# Altium PCB BMS Slave V0.1.PcbDoc (part 3 of 6) (continued)
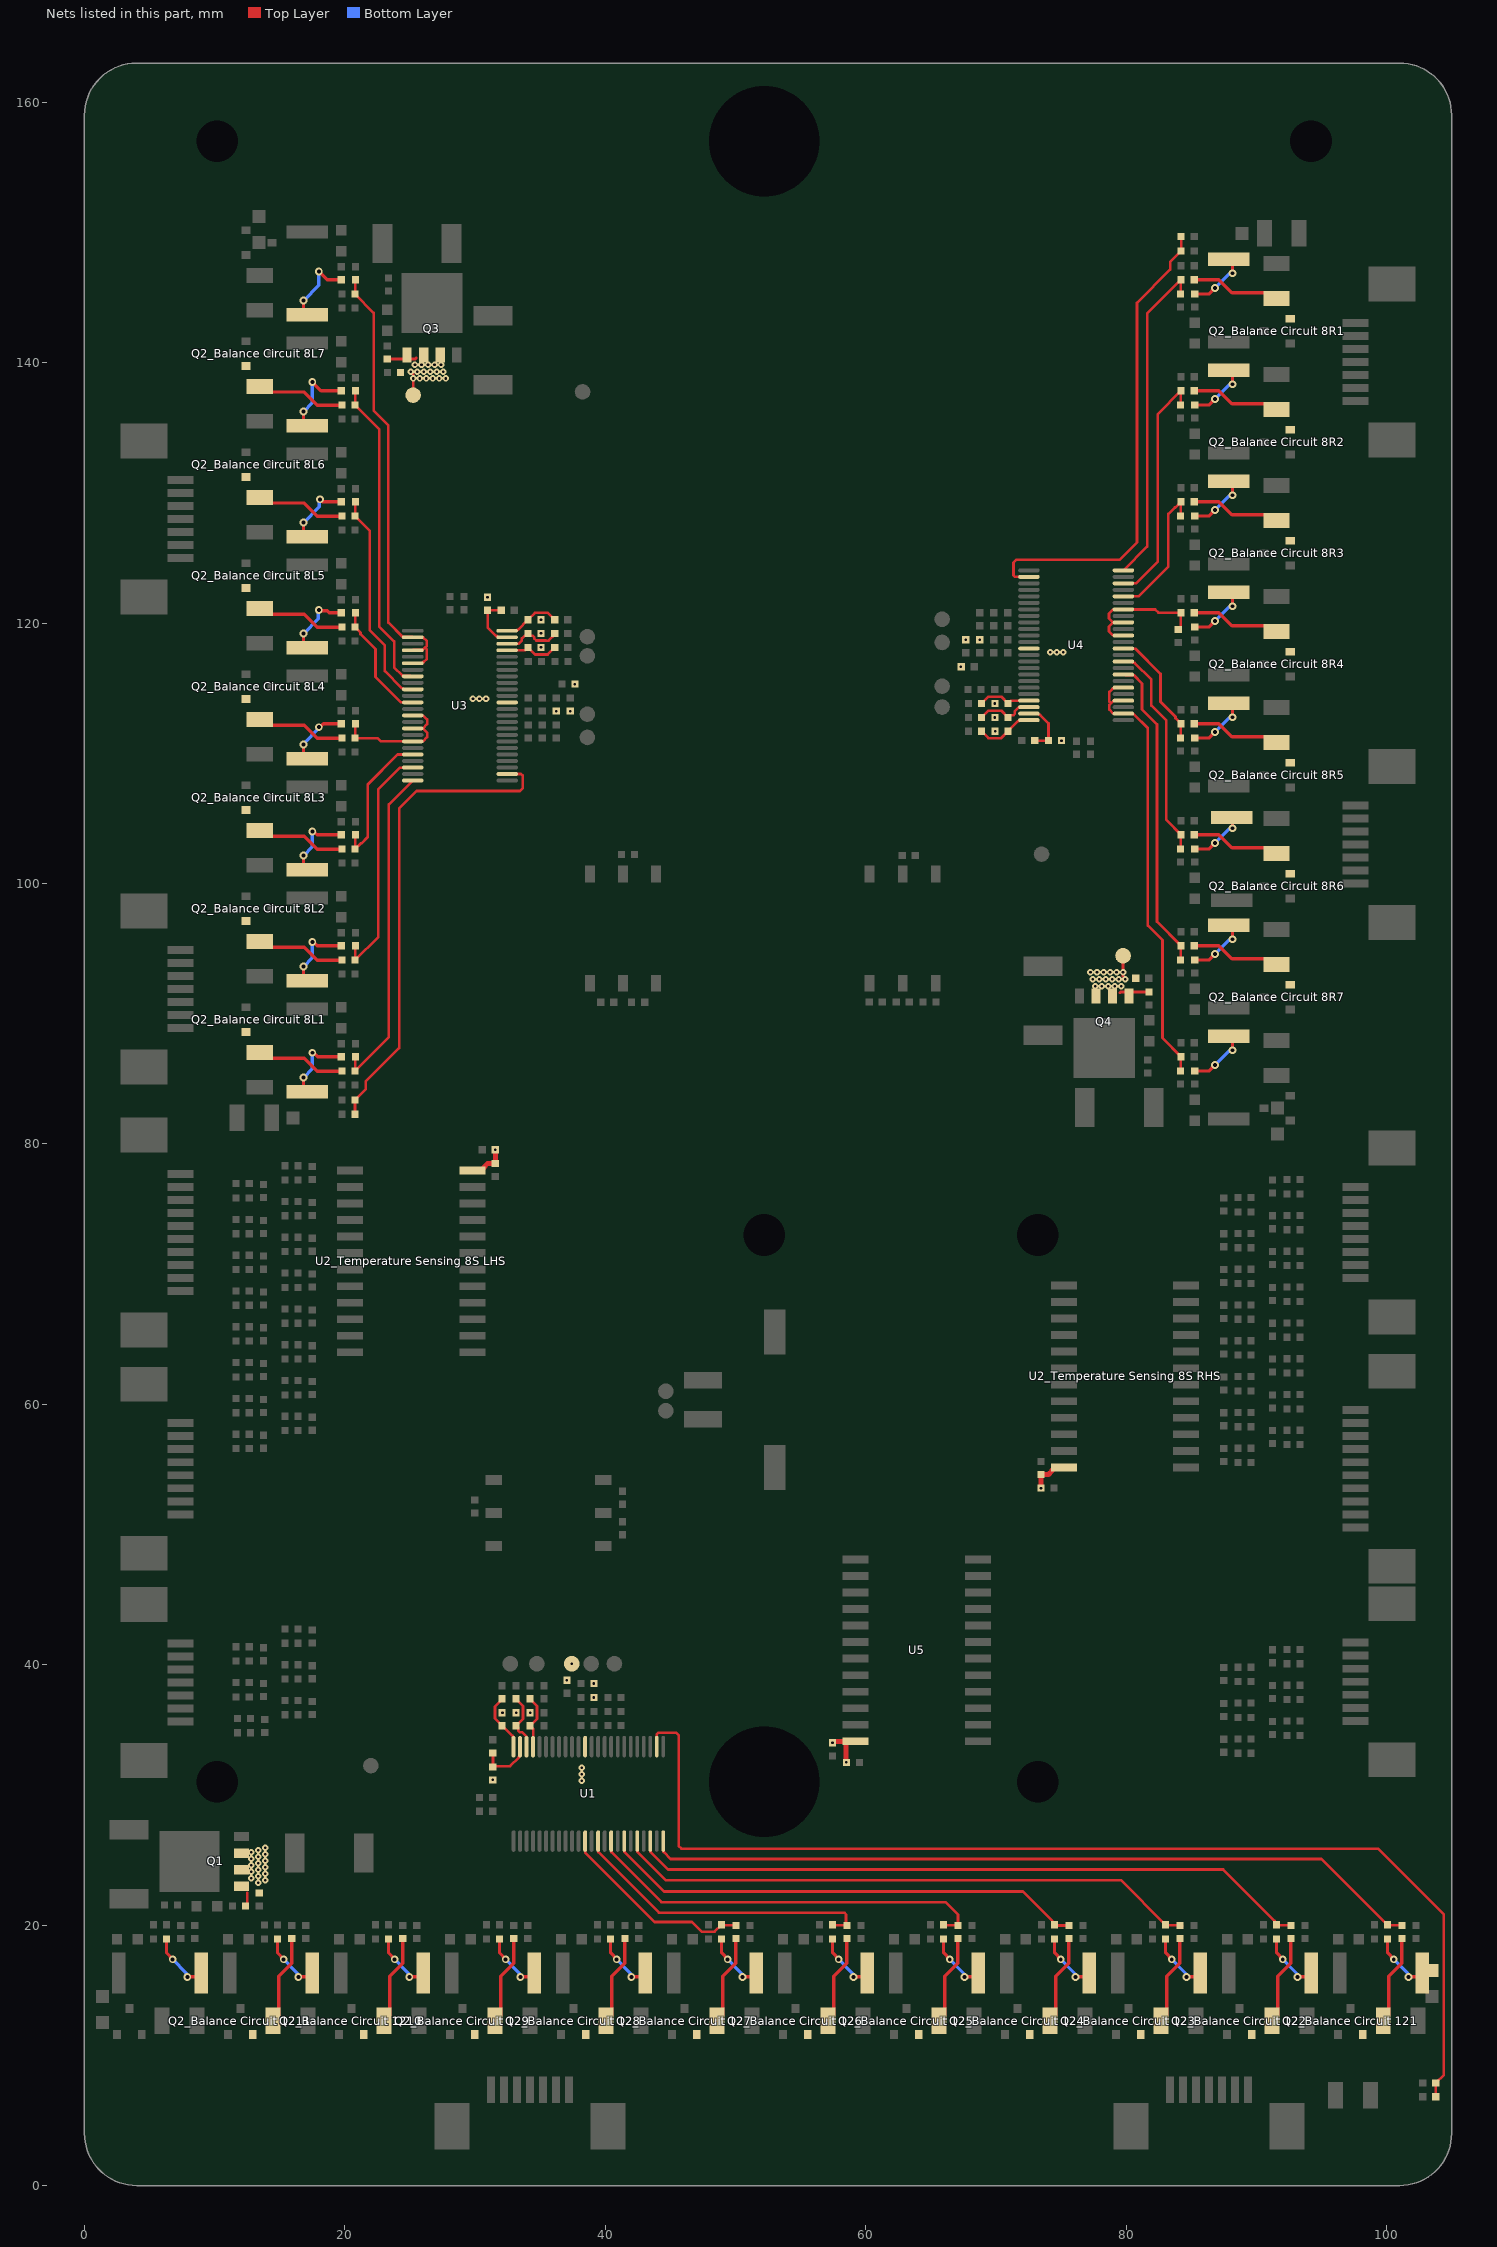
[diagram p5: the nets of this part, all layers, seen from the top]
## Part data (continued)
R7: library part Resistor, "Resistor", Supplier Part Number 1=652-CR0402FX-1211GLF, Supplier 1=Mouser
"R20_Balance Circuit 8L1" "R20_Balance Circuit 8L2" "R20_Balance Circuit 8L3" "R20_Balance Circuit 8L4" "R20_Balance Circuit 8L5" "R20_Balance Circuit 8L6" "R20_Balance Circuit 8L7" "R20_Balance Circuit 8L8" "R20_Balance Circuit 8R1" "R20_Balance Circuit 8R2" "R20_Balance Circuit 8R3" "R20_Balance Circuit 8R4" "R20_Balance Circuit 8R5" "R20_Balance Circuit 8R6" "R20_Balance Circuit 8R7" "R20_Balance Circuit 8R8" "R20_Balance Circuit 121" "R20_Balance Circuit 122" "R20_Balance Circuit 123" "R20_Balance Circuit 124" "R20_Balance Circuit 125" "R20_Balance Circuit 126" "R20_Balance Circuit 127" "R20_Balance Circuit 128" "R20_Balance Circuit 129" "R20_Balance Circuit 1210" "R20_Balance Circuit 1211" "R20_Balance Circuit 1212": library part Resistor, "Resistor", Supplier Part Number 1=603-AC0402FR-073K3L, Supplier 1=Mouser
"R24_IsoSPI 8S LHS" "R24_IsoSPI 8S RHS" "R24_IsoSPI 12S": library part Resistor, "Resistor", Supplier Part Number 1=71-CRCW0402-402-E3, Supplier 1=Mouser
"T1_IsoSPI 8S LHS" "T1_IsoSPI 8S RHS" "T1_IsoSPI 12S": "BMS XFORMER 1-CH 1000V AECQ +125", Inductance=150uH, Manufacturer=Bourns, Max Operating Temperature=125°C, Min Operating Temperature=-40°C, Supplier Part Number 1=1802382, Category=Transformers, ComponentLink1Description=https://www.bourns.com/docs/Product-Datasheets/SM91502AL.pdf?src-supplier=Digi-Key, ComponentLink1URL=https://www.bourns.com/docs/Product-Datasheets/SM91502AL.pdf?src-supplier=Digi-Key, Manufacturer Part Number=SM91502ALE, Mount="Surface Mount", Packaging="Cut Tape", Pricing 1="800=2.35100 (USD)", RoHS=Yes, Stock 1=1, Supplier 1=RSComponents, Turns Ratio=1:1
TP1 TP2 TP3 TP4 TP5 TP6 TP7 TP8 TP9 TP10 TP11 TP12 TP13 TP14 TP15 TP16 TP17 TP18 TP19 TP20: library part "Test Point", "1.2mm Test point"
U1 U3 U4: "12 Channel Multicell Battery Monitor with Addressable Interface"
"U2_Temperature Sensing 8S LHS" "U2_Temperature Sensing 8S RHS" U5: "High-Speed CMOS Logic / 16-Channel Analog Multiplexer/Demultiplexer"

## Free pads (board coordinates)
  round 7 hole 8.5 unplated: MH2(52.2,31) MH2(52.2,157)

## Via types
v1: diameter 0.5, hole 0.2, Top Layer to Bottom Layer, tented both sides, 1259 vias
v2: diameter 0.6, hole 0.3, Top Layer to Bottom Layer, tented both sides, 56 vias

## Nets (pads, with @x,y where several pads share a name; then routed paths per layer and width w, separated by ;. In a path a pad name is that pad's centre, name@x,y a point inside that pad or via, vN(x,y) a via of type N, cw(c..) or ccw(c..) an arc to the next point about the centre after c; other vN are vias at no path point)
5V0_8L_1: "C11_Temperature Sensing 8S LHS.1" "C12_Temperature Sensing 8S LHS.2" "U2_Temperature Sensing 8S LHS.24" C19.2 Q3.1 Q3.2 Q3.3 R28.2 R30.2 R31.2 R36.2 R37.2 R38.2 R39.2 R44.2 TP10.1 U3.37 | length 7.2
  Top Layer w0.203: R30.2@23.257,140.282 25.413,140.282 25.488,140.357 ; v1(25.061,139.312) 25.061,139.259 25.238,139.082 TP10.1@25.238,137.507 ; 29.8,77.96 30.5,77.96
  Top Layer w0.381: 30.5,77.96 30.698,78.158 30.698,78.228 30.97,78.5 31.55,78.5 v1(31.55,79.55)
  other v1: 36.238,113.232 37.313,113.232 29.838,114.182 30.338,114.182 30.838,114.182 37.663,115.307 35.063,118.132 35.063,119.207 35.063,120.257 30.95,121.975 25.238,138.782 25.738,138.782 26.238,138.782 26.738,138.782 27.238,138.782 27.738,138.782 25.561,139.312 26.061,139.312 26.561,139.312 27.061,139.312 27.561,139.312 25.384,139.843 25.884,139.843 26.384,139.843 26.884,139.843 27.384,139.843
5V0_8R_1: "C11_Temperature Sensing 8S RHS.1" "C12_Temperature Sensing 8S RHS.2" "U2_Temperature Sensing 8S RHS.24" C26.2 Q4.1 Q4.2 Q4.3 R46.2 R48.2 R49.2 R54.2 R55.2 R56.2 R57.2 R62.2 TP17.1 U4.37 | length 7.2
  Top Layer w0.203: 79.512,91.593 79.587,91.668 R48.2@81.743,91.668 ; TP17.1@79.762,94.443 79.762,92.868 79.939,92.691 v1(79.939,92.638)
  Top Layer w0.381: v1(73.462,53.563) 73.462,54.613 74.042,54.613 74.314,54.884 74.314,54.954 74.513,55.153 75.213,55.153
  Bottom Layer w0.203: v1@69.912,111.693 v1@69.925,111.705 ; v1@69.925,112.73 v1@69.937,112.743
  other v1: 77.616,92.107 78.116,92.107 78.616,92.107 79.116,92.107 79.616,92.107 77.439,92.638 77.939,92.638 78.439,92.638 78.939,92.638 79.439,92.638 77.262,93.168 77.762,93.168 78.262,93.168 78.762,93.168 79.262,93.168 79.762,93.168 75.037,110.968 69.937,111.693 69.912,112.743 69.912,113.818 67.312,116.643 74.162,117.768 74.662,117.768 75.162,117.768 67.687,118.718 68.762,118.718
5V0_12_1: C6.2 C28.1 C29.2 Q1.1 Q1.2 Q1.3 R2.2 R4.2 R5.2 R10.2 R11.2 R12.2 R13.2 R18.2 TP3.1 U1.37 U5.24 | length 3.7
  Top Layer w0.203: R4.2@12.378,21.457 12.5,21.579 12.5,22.475
  Top Layer w0.381: C29.2@57.435,34.1 58.485,34.1 58.485,32.54 C28.1@58.525,32.5
  other v1: 13.348,23.261 13.878,23.438 12.817,23.584 13.348,23.761 13.878,23.938 12.817,24.084 13.348,24.261 13.878,24.438 12.817,24.584 13.348,24.761 13.878,24.938 12.817,25.084 13.348,25.261 13.878,25.438 12.817,25.584 13.348,25.761 13.878,25.938 38.178,31.081 31.353,31.156 38.178,31.581 38.178,32.081 58.505,32.52 57.45,34 32.103,36.306 33.153,36.306 34.228,36.306 39.128,37.481 39.128,38.556 37.053,38.806 37.425,40.075
A0_2: R10.1 R14.2 U1.45 | length 4.2
  Top Layer w0.203: R14.2@34.228,37.356 34.757,36.827 34.757,35.835 R10.1@34.228,35.306 34.453,35.081 U1.45@34.453,33.706 U1.45@34.472,33.725
A0_4: R36.1 R40.2 U3.45 | length 4.2
  Top Layer w0.203: U3.45@32.482,117.889 U3.45@32.463,117.907 33.838,117.907 R36.1@34.063,118.132 34.609,117.586 35.567,117.586 R40.2@36.113,118.132
A0_5: R54.1 R58.2 U4.45 | length 4.2
  Top Layer w0.203: R58.2@68.887,113.818 69.416,114.347 70.408,114.347 R54.1@70.937,113.818 71.162,114.043 U4.45@72.537,114.043 U4.45@72.518,114.061
A1_2: R11.1 R15.2 U1.46 | length 4.5
  Top Layer w0.203: R15.2@33.153,37.356 33.682,36.827 33.682,35.835 R11.1@33.153,35.306 33.326,35.133 33.326,34.919 33.445,34.8 33.625,34.8 33.934,34.491 33.934,33.725 U1.46@33.953,33.706
A1_4: R37.1 R41.2 U3.46 | length 4.6
  Top Layer w0.203: U3.46@32.463,118.407 32.472,118.416 33.366,118.416 33.593,118.643 33.593,118.807 33.819,119.034 33.89,119.034 R37.1@34.063,119.207 34.236,119.034 34.415,119.034 34.534,118.915 34.534,118.827 34.7,118.661 35.443,118.661 35.464,118.64 35.633,118.64 35.94,118.947 35.94,119.034 R41.2@36.113,119.207
A1_5: R55.1 R59.2 U4.46 | length 4.5
  Top Layer w0.203: R59.2@68.887,112.743 69.416,113.272 70.408,113.272 R55.1@70.937,112.743 71.11,112.916 71.339,112.916 71.458,113.035 71.458,113.231 71.751,113.524 72.519,113.524 U4.46@72.537,113.543
A2_2: R12.1 R16.2 U1.47 | length 4.2
  Top Layer w0.203: R16.2@31.378,33.256 31.378,32.206 32.699,32.206 33.357,32.864 33.357,32.909 33.453,33.005 U1.47@33.453,33.706
A2_4: R38.1 R42.2 U3.47 | length 4.2
  Top Layer w0.203: R42.2@32.013,120.982 30.963,120.982 30.963,119.661 31.621,119.003 31.666,119.003 31.762,118.907 U3.47@32.463,118.907
A2_5: R56.1 R60.2 U4.47 | length 4.2
  Top Layer w0.203: U4.47@72.537,113.043 73.238,113.043 73.334,112.947 73.379,112.947 74.037,112.289 R56.1@74.037,110.968 R60.2@72.987,110.968
A3_2: R13.1 R17.2 U1.48 | length 4.5
  Top Layer w0.203: R17.2@32.103,37.356 31.525,36.778 31.525,35.884 32.103,35.306 32.879,34.53 32.879,34.495 32.953,34.421 U1.48@32.953,33.706
A3_4: R39.1 R43.2 U3.48 | length 4.4
  Top Layer w0.203: U3.48@32.463,119.407 33.178,119.407 33.252,119.481 33.287,119.481 R39.1@34.063,120.257 34.592,120.786 35.584,120.786 R43.2@36.113,120.257
A3_5: R57.1 R61.2 U4.48 | length 4.4
  Top Layer w0.203: R61.2@68.887,111.693 69.416,111.164 70.408,111.164 70.937,111.693 71.713,112.469 71.748,112.469 71.822,112.543 U4.48@72.537,112.543
B8L_1: "R21_Balance Circuit 8L1.1" "R22_Balance Circuit 8L1.1" NT3.2 | length 5.7
  Top Layer w0.254: v2(16.825,85.085) 16.825,84.31 17.125,84.01 ; v2(17.5,87) 17.594,87 17.909,86.685 19.725,86.685
  Bottom Layer w0.254: v2(16.825,85.085) 17.5,85.76 v2(17.5,87)
B8L_2: "F2_Balance Circuit 8L1.2" "Q2_Balance Circuit 8L1.2" "R19_Balance Circuit 8L1.1" "R21_Balance Circuit 8L2.1" "R22_Balance Circuit 8L2.1" | length 12.6
  Top Layer w0.254: 13.45,87.02 13.885,86.585 16.875,86.585 17.875,85.585 19.725,85.585 ; v2(16.825,93.61) 16.825,92.835 17.125,92.535 ; v2(17.5,95.5) 17.594,95.5 17.884,95.21 19.725,95.21
  Bottom Layer w0.254: v2(16.825,93.61) 17.5,94.285 v2(17.5,95.5)
B8L_3: "F2_Balance Circuit 8L2.2" "Q2_Balance Circuit 8L2.2" "R19_Balance Circuit 8L2.1" "R21_Balance Circuit 8L3.1" "R22_Balance Circuit 8L3.1" | length 12.5
  Top Layer w0.254: 13.45,95.545 13.885,95.11 16.875,95.11 17.875,94.11 19.725,94.11 ; v2(16.825,102.135) 16.825,101.36 17.125,101.06 ; v2(17.5,104) 17.594,104 17.859,103.735 19.725,103.735
  Bottom Layer w0.254: v2(16.825,102.135) 17.5,102.81 v2(17.5,104)
B8L_4: "F2_Balance Circuit 8L3.2" "Q2_Balance Circuit 8L3.2" "R19_Balance Circuit 8L3.1" "R21_Balance Circuit 8L4.1" "R22_Balance Circuit 8L4.1" | length 11.7
  Top Layer w0.254: 13.45,104.07 13.885,103.635 16.875,103.635 17.875,102.635 19.725,102.635 ; v2(16.825,110.66) 16.825,109.885 17.125,109.585 ; v2(18,112) 18.094,112 18.354,112.26 19.725,112.26
  Bottom Layer w0.254: v2(16.825,110.66) 16.825,110.743 18,111.918 v2(18,112)
B8L_5: "F2_Balance Circuit 8L4.2" "Q2_Balance Circuit 8L4.2" "R19_Balance Circuit 8L4.1" "R21_Balance Circuit 8L5.1" "R22_Balance Circuit 8L5.1" | length 12.2
  Top Layer w0.254: 13.45,112.595 13.885,112.16 16.875,112.16 17.875,111.16 19.725,111.16 ; v2(16.825,119.185) 16.825,118.41 17.125,118.11 ; v2(18,121) 18.066,120.934 18.66,120.934 18.809,120.785 19.725,120.785
  Bottom Layer w0.254: v2(16.825,119.185) 17.959,120.319 17.959,120.959 v2(18,121)
B8L_6: "F2_Balance Circuit 8L5.2" "Q2_Balance Circuit 8L5.2" "R19_Balance Circuit 8L5.1" "R21_Balance Circuit 8L6.1" "R22_Balance Circuit 8L6.1" | length 12.1
  Top Layer w0.254: 13.45,121.12 13.885,120.685 16.875,120.685 17.875,119.685 19.725,119.685 ; v2(16.825,127.71) 16.825,126.935 17.125,126.635 ; v2(18.094,129.5) 18.284,129.31 19.725,129.31
  Bottom Layer w0.254: v2(16.825,127.71) 18.027,128.912 18.027,129.434 v2(18.094,129.5)
B8L_7: "F2_Balance Circuit 8L6.2" "Q2_Balance Circuit 8L6.2" "R19_Balance Circuit 8L6.1" "R21_Balance Circuit 8L7.1" "R22_Balance Circuit 8L7.1" | length 13.1
  Top Layer w0.254: 13.45,129.645 13.885,129.21 16.875,129.21 17.875,128.21 19.725,128.21 ; v2(16.825,136.235) 16.825,135.46 17.125,135.16 ; v2(17.5,138.5) 18.165,137.835 19.725,137.835
  Bottom Layer w0.254: v2(16.825,136.235) 17.5,136.91 v2(17.5,138.5)
B8L_8: "F2_Balance Circuit 8L7.2" "Q2_Balance Circuit 8L7.2" "R19_Balance Circuit 8L7.1" "R21_Balance Circuit 8L8.1" "R22_Balance Circuit 8L8.1" | length 12.8
  Top Layer w0.254: 13.45,138.17 13.885,137.735 16.875,137.735 17.875,136.735 19.725,136.735 ; v2(16.825,144.76) 16.825,143.985 17.125,143.685 ; v2(18,147) 18.64,146.36 19.725,146.36
  Bottom Layer w0.254: v2(16.825,144.76) 18,145.935 v2(18,147)
B8R_1: "R21_Balance Circuit 8R1.1" "R22_Balance Circuit 8R1.1" NT5.2 | length 4.3
  Top Layer w0.254: 85.275,145.265 86.337,145.265 86.812,145.74 v2(86.825,145.74) ; v2(88.175,146.865) 88.175,147.64
  Bottom Layer w0.254: v2(86.825,145.74) 87.884,146.799 88.109,146.799 v2(88.175,146.865)
B8R_2: "F2_Balance Circuit 8R1.2" "Q2_Balance Circuit 8R1.2" "R19_Balance Circuit 8R1.1" "R21_Balance Circuit 8R2.1" "R22_Balance Circuit 8R2.1" | length 11.6
  Top Layer w0.254: 85.275,136.74 86.337,136.74 86.812,137.215 v2(86.825,137.215) ; 85.275,146.365 87.125,146.365 88.125,145.365 91.115,145.365 91.55,144.93 ; 87.875,139.415 88.175,139.115 v2(88.175,138.34)
  Bottom Layer w0.254: v2(86.825,137.215) 87.884,138.274 88.109,138.274 v2(88.175,138.34)
B8R_3: "F2_Balance Circuit 8R2.2" "Q2_Balance Circuit 8R2.2" "R19_Balance Circuit 8R2.1" "R21_Balance Circuit 8R3.1" "R22_Balance Circuit 8R3.1" | length 11.6
  Top Layer w0.254: 85.275,128.215 86.337,128.215 86.812,128.69 v2(86.825,128.69) ; 85.275,137.84 87.125,137.84 88.125,136.84 91.115,136.84 91.55,136.405 ; 87.875,130.89 88.175,130.59 v2(88.175,129.815)
  Bottom Layer w0.254: v2(86.825,128.69) 87.884,129.749 88.109,129.749 v2(88.175,129.815)
B8R_4: "F2_Balance Circuit 8R3.2" "Q2_Balance Circuit 8R3.2" "R19_Balance Circuit 8R3.1" "R21_Balance Circuit 8R4.1" "R22_Balance Circuit 8R4.1" | length 11.6
  Top Layer w0.254: 85.275,119.69 86.337,119.69 86.812,120.165 v2(86.825,120.165) ; 85.275,129.315 87.125,129.315 88.125,128.315 91.115,128.315 91.55,127.88 ; 87.875,122.365 88.175,122.065 v2(88.175,121.29)
  Bottom Layer w0.254: v2(86.825,120.165) 87.884,121.224 88.109,121.224 v2(88.175,121.29)
B8R_5: "F2_Balance Circuit 8R4.2" "Q2_Balance Circuit 8R4.2" "R19_Balance Circuit 8R4.1" "R21_Balance Circuit 8R5.1" "R22_Balance Circuit 8R5.1" | length 11.6
  Top Layer w0.254: 85.275,111.165 86.337,111.165 86.812,111.64 v2(86.825,111.64) ; 85.275,120.79 87.125,120.79 88.125,119.79 91.115,119.79 91.55,119.355 ; 87.875,113.84 88.175,113.54 v2(88.175,112.765)
  Bottom Layer w0.254: v2(86.825,111.64) 87.884,112.699 88.109,112.699 v2(88.175,112.765)
B8R_6: "F2_Balance Circuit 8R5.2" "Q2_Balance Circuit 8R5.2" "R19_Balance Circuit 8R5.1" "R21_Balance Circuit 8R6.1" "R22_Balance Circuit 8R6.1" | length 11.6
  Top Layer w0.254: 85.275,102.64 86.337,102.64 86.812,103.115 v2(86.825,103.115) ; 85.275,112.265 87.125,112.265 88.125,111.265 91.115,111.265 91.55,110.83 ; 87.875,105.315 88.175,105.015 v2(88.175,104.24)
  Bottom Layer w0.254: v2(86.825,103.115) 87.884,104.174 88.109,104.174 v2(88.175,104.24)
B8R_7: "F2_Balance Circuit 8R6.2" "Q2_Balance Circuit 8R6.2" "R19_Balance Circuit 8R6.1" "R21_Balance Circuit 8R7.1" "R22_Balance Circuit 8R7.1" | length 11.6
  Top Layer w0.254: 85.275,94.115 86.337,94.115 86.812,94.59 v2(86.825,94.59) ; 85.275,103.74 87.125,103.74 88.125,102.74 91.115,102.74 91.55,102.305 ; 87.875,96.79 88.175,96.49 v2(88.175,95.715)
  Bottom Layer w0.254: v2(86.825,94.59) 87.884,95.649 88.109,95.649 v2(88.175,95.715)
B8R_8: "F2_Balance Circuit 8R7.2" "Q2_Balance Circuit 8R7.2" "R19_Balance Circuit 8R7.1" "R21_Balance Circuit 8R8.1" "R22_Balance Circuit 8R8.1" | length 11.6
  Top Layer w0.254: 85.275,85.59 86.337,85.59 86.812,86.065 v2(86.825,86.065) ; 85.275,95.215 87.125,95.215 88.125,94.215 91.115,94.215 91.55,93.78 ; 87.875,88.265 88.175,87.965 v2(88.175,87.19)
  Bottom Layer w0.254: v2(86.825,86.065) 87.884,87.124 88.109,87.124 v2(88.175,87.19)
B12_1: "R21_Balance Circuit 121.1" "R22_Balance Circuit 121.1" NT1.2 | length 4.8
  Top Layer w0.254: 100.075,18.925 100.075,17.863 100.55,17.388 v2(100.55,17.375) ; v2(101.675,16.025) 102.45,16.025 102.75,16.325
  Bottom Layer w0.254: v2(100.55,17.375) 101.609,16.316 101.609,16.091 v2(101.675,16.025)
B12_2: "F2_Balance Circuit 121.2" "Q2_Balance Circuit 121.2" "R19_Balance Circuit 121.1" "R21_Balance Circuit 122.1" "R22_Balance Circuit 122.1" | length 11.6
  Top Layer w0.254: 91.55,18.925 91.55,17.863 92.025,17.388 v2(92.025,17.375) ; v2(93.15,16.025) 93.925,16.025 94.225,16.325 ; 99.74,12.65 100.175,13.085 100.175,16.075 101.175,17.075 101.175,18.925
  Bottom Layer w0.254: v2(92.025,17.375) 93.084,16.316 93.084,16.091 v2(93.15,16.025)
B12_3: "F2_Balance Circuit 122.2" "Q2_Balance Circuit 122.2" "R19_Balance Circuit 122.1" "R21_Balance Circuit 123.1" "R22_Balance Circuit 123.1" | length 11.6
  Top Layer w0.254: 83.025,18.925 83.025,17.863 83.5,17.388 v2(83.5,17.375) ; v2(84.625,16.025) 85.4,16.025 85.7,16.325 ; 91.215,12.65 91.65,13.085 91.65,16.075 92.65,17.075 92.65,18.925
  Bottom Layer w0.254: v2(83.5,17.375) 84.559,16.316 84.559,16.091 v2(84.625,16.025)
B12_4: "F2_Balance Circuit 123.2" "Q2_Balance Circuit 123.2" "R19_Balance Circuit 123.1" "R21_Balance Circuit 124.1" "R22_Balance Circuit 124.1" | length 11.6
  Top Layer w0.254: 74.5,18.925 74.5,17.863 74.975,17.388 v2(74.975,17.375) ; v2(76.1,16.025) 76.875,16.025 77.175,16.325 ; 82.69,12.65 83.125,13.085 83.125,16.075 84.125,17.075 84.125,18.925
  Bottom Layer w0.254: v2(74.975,17.375) 76.034,16.316 76.034,16.091 v2(76.1,16.025)
B12_5: "F2_Balance Circuit 124.2" "Q2_Balance Circuit 124.2" "R19_Balance Circuit 124.1" "R21_Balance Circuit 125.1" "R22_Balance Circuit 125.1" | length 11.6
  Top Layer w0.254: 65.975,18.925 65.975,17.863 66.45,17.388 v2(66.45,17.375) ; v2(67.575,16.025) 68.35,16.025 68.65,16.325 ; 74.165,12.65 74.6,13.085 74.6,16.075 75.6,17.075 75.6,18.925
  Bottom Layer w0.254: v2(66.45,17.375) 67.509,16.316 67.509,16.091 v2(67.575,16.025)
B12_6: "F2_Balance Circuit 125.2" "Q2_Balance Circuit 125.2" "R19_Balance Circuit 125.1" "R21_Balance Circuit 126.1" "R22_Balance Circuit 126.1" | length 11.6
  Top Layer w0.254: 57.45,18.925 57.45,17.863 57.925,17.388 v2(57.925,17.375) ; v2(59.05,16.025) 59.825,16.025 60.125,16.325 ; 65.64,12.65 66.075,13.085 66.075,16.075 67.075,17.075 67.075,18.925
  Bottom Layer w0.254: v2(57.925,17.375) 58.984,16.316 58.984,16.091 v2(59.05,16.025)
B12_7: "F2_Balance Circuit 126.2" "Q2_Balance Circuit 126.2" "R19_Balance Circuit 126.1" "R21_Balance Circuit 127.1" "R22_Balance Circuit 127.1" | length 11.6
  Top Layer w0.254: 48.925,18.925 48.925,17.863 49.4,17.388 v2(49.4,17.375) ; v2(50.525,16.025) 51.3,16.025 51.6,16.325 ; 57.115,12.65 57.55,13.085 57.55,16.075 58.55,17.075 58.55,18.925
  Bottom Layer w0.254: v2(49.4,17.375) 50.459,16.316 50.459,16.091 v2(50.525,16.025)
B12_8: "F2_Balance Circuit 127.2" "Q2_Balance Circuit 127.2" "R19_Balance Circuit 127.1" "R21_Balance Circuit 128.1" "R22_Balance Circuit 128.1" | length 11.6
  Top Layer w0.254: 40.4,18.925 40.4,17.863 40.875,17.388 v2(40.875,17.375) ; v2(42,16.025) 42.775,16.025 43.075,16.325 ; 48.59,12.65 49.025,13.085 49.025,16.075 50.025,17.075 50.025,18.925
  Bottom Layer w0.254: v2(40.875,17.375) 41.934,16.316 41.934,16.091 v2(42,16.025)
B12_9: "F2_Balance Circuit 128.2" "Q2_Balance Circuit 128.2" "R19_Balance Circuit 128.1" "R21_Balance Circuit 129.1" "R22_Balance Circuit 129.1" | length 11.6
  Top Layer w0.254: 31.875,18.925 31.875,17.863 32.35,17.388 v2(32.35,17.375) ; v2(33.475,16.025) 34.25,16.025 34.55,16.325 ; 40.065,12.65 40.5,13.085 40.5,16.075 41.5,17.075 41.5,18.925
  Bottom Layer w0.254: v2(32.35,17.375) 33.409,16.316 33.409,16.091 v2(33.475,16.025)
B12_10: "F2_Balance Circuit 129.2" "Q2_Balance Circuit 129.2" "R19_Balance Circuit 129.1" "R21_Balance Circuit 1210.1" "R22_Balance Circuit 1210.1" | length 11.6
  Top Layer w0.254: 23.35,18.925 23.35,17.863 23.825,17.388 v2(23.825,17.375) ; v2(24.95,16.025) 25.725,16.025 26.025,16.325 ; 31.54,12.65 31.975,13.085 31.975,16.075 32.975,17.075 32.975,18.925
  Bottom Layer w0.254: v2(23.825,17.375) 24.884,16.316 24.884,16.091 v2(24.95,16.025)
B12_11: "F2_Balance Circuit 1210.2" "Q2_Balance Circuit 1210.2" "R19_Balance Circuit 1210.1" "R21_Balance Circuit 1211.1" "R22_Balance Circuit 1211.1" | length 11.6
  Top Layer w0.254: 14.825,18.925 14.825,17.863 15.3,17.388 v2(15.3,17.375) ; v2(16.425,16.025) 17.2,16.025 17.5,16.325 ; 23.015,12.65 23.45,13.085 23.45,16.075 24.45,17.075 24.45,18.925
  Bottom Layer w0.254: v2(15.3,17.375) 16.359,16.316 16.359,16.091 v2(16.425,16.025)
B12_12: "F2_Balance Circuit 1211.2" "Q2_Balance Circuit 1211.2" "R19_Balance Circuit 1211.1" "R21_Balance Circuit 1212.1" "R22_Balance Circuit 1212.1" | length 11.6
  Top Layer w0.254: 6.3,18.925 6.3,17.863 6.775,17.388 v2(6.775,17.375) ; v2(7.9,16.025) 8.675,16.025 8.975,16.325 ; 14.49,12.65 14.925,13.085 14.925,16.075 15.925,17.075 15.925,18.925
  Bottom Layer w0.254: v2(6.775,17.375) 7.834,16.316 7.834,16.091 v2(7.9,16.025)
C8L_0_4: C20.2 R35.2 U3.26 | length 37.2
  Top Layer w0.203: C20.2@20.775,82.275 R35.2@20.775,83.375 21.614,84.214 21.614,84.811 24.169,87.365 24.169,105.749 25.516,107.097 33.447,107.097 33.65,107.3 33.65,108.288 33.531,108.407 U3.26@32.463,108.407
C8L_1: "C8_Balance Circuit 8L1.2" "R19_Balance Circuit 8L1.2" U3.24 | length 25.3
  Top Layer w0.203: 20.825,86.685 20.8,86.66 20.8,85.61 20.775,85.585 23.382,88.192 23.382,106.076 U3.24@25.213,107.907
C8L_2: "C8_Balance Circuit 8L2.2" "R19_Balance Circuit 8L2.2" U3.22 | length 18.3
  Top Layer w0.203: 20.825,95.21 20.8,95.185 20.8,94.135 20.775,94.11 22.569,95.904 22.569,107.238 24.229,108.898 25.204,108.898 U3.22@25.213,108.907
C8L_3: "C8_Balance Circuit 8L3.2" "R19_Balance Circuit 8L3.2" U3.20 | length 10.9
  Top Layer w0.203: 20.825,103.735 20.8,103.71 20.8,102.66 20.775,102.635 21.219,103.079 21.258,103.079 21.756,103.577 21.756,107.6 24.054,109.898 25.204,109.898 U3.20@25.213,109.907
C8L_4: "C8_Balance Circuit 8L4.2" "R19_Balance Circuit 8L4.2" U3.14 U3.16 U3.18 | length 11.3
  Top Layer w0.203: 20.825,112.26 20.8,112.235 20.8,111.185 20.775,111.16 22.519,111.16 22.772,110.907 U3.18@25.213,110.907 25.222,110.916 26.004,110.916 26.317,111.229 26.317,111.585 26.004,111.898 25.222,111.898 U3.16@25.213,111.907 25.222,111.916 26.004,111.916 26.317,112.229 26.317,112.585 26.004,112.898 25.222,112.898 U3.14@25.213,112.907
C8L_5: "C8_Balance Circuit 8L5.2" "R19_Balance Circuit 8L5.2" U3.12 | length 9.3
  Top Layer w0.203: 20.825,120.785 20.8,120.76 20.8,119.71 20.775,119.685 21.204,119.256 21.204,119.148 22.356,117.997 22.356,115.853 24.284,113.926 25.194,113.926 U3.12@25.213,113.907
C8L_6: "C8_Balance Circuit 8L6.2" "R19_Balance Circuit 8L6.2" U3.10 | length 16.7
  Top Layer w0.203: 20.825,129.31 20.8,129.285 20.8,128.235 20.775,128.21 21.916,127.069 21.916,119.443 23.067,118.291 23.067,116.298 24.362,115.003 24.374,115.003 24.416,115.003 24.512,114.907 U3.10@25.213,114.907
C8L_7: "C8_Balance Circuit 8L7.2" "R19_Balance Circuit 8L7.2" U3.8 | length 24
  Top Layer w0.203: 20.825,137.835 20.8,137.81 20.8,136.76 20.775,136.735 22.627,134.883 22.627,119.737 23.778,118.586 23.778,116.592 24.41,115.961 U3.8@25.013,115.961
C8L_8: "C8_Balance Circuit 8L8.2" "R19_Balance Circuit 8L8.2" U3.2 U3.4 U3.6 | length 34.6
  Top Layer w0.203: 20.825,146.36 20.8,146.335 20.8,145.285 20.775,145.26 22.213,143.822 22.213,136.303 23.338,135.178 23.338,120.032 24.444,118.926 U3.2@25.193,118.926 ; U3.6@25.213,116.907 25.914,116.907 26.01,117.003 26.055,117.003 26.292,117.24 26.292,117.978 26.161,118.109 ; U3.4@25.213,117.907 25.232,117.926 25.978,117.926 26.161,118.109 ; U3.2@25.213,118.907 25.232,118.889 26.007,118.889 26.292,118.603 26.292,118.24 26.161,118.109
C8R_0_5: C27.2 R53.2 U4.26 | length 37.2
  Top Layer w0.203: U4.26@72.537,123.543 71.469,123.543 71.35,123.662 71.35,124.65 71.553,124.853 79.484,124.853 80.831,126.201 80.831,144.585 83.386,147.139 83.386,147.736 R53.2@84.225,148.575 C27.2@84.225,149.675
C8R_1: "C8_Balance Circuit 8R1.2" "R19_Balance Circuit 8R1.2" U4.24 | length 25.3
  Top Layer w0.203: U4.24@79.787,124.043 81.618,125.874 81.618,143.758 84.225,146.365 84.2,146.34 84.2,145.29 84.175,145.265
C8R_2: "C8_Balance Circuit 8R2.2" "R19_Balance Circuit 8R2.2" U4.22 | length 18.3
  Top Layer w0.203: U4.22@79.787,123.043 79.796,123.052 80.771,123.052 82.431,124.712 82.431,136.046 84.225,137.84 84.2,137.815 84.2,136.765 84.175,136.74
C8R_3: "C8_Balance Circuit 8R3.2" "R19_Balance Circuit 8R3.2" U4.20 | length 10.9
  Top Layer w0.203: U4.20@79.787,122.043 79.796,122.052 80.946,122.052 83.244,124.35 83.244,128.373 83.742,128.871 83.781,128.871 84.225,129.315 84.2,129.29 84.2,128.24 84.175,128.215
C8R_4: "C8_Balance Circuit 8R4.2" "R19_Balance Circuit 8R4.2" U4.14 U4.16 U4.18 | length 11.3
  Top Layer w0.203: U4.14@79.787,119.043 79.778,119.052 78.996,119.052 78.683,119.365 78.683,119.721 78.996,120.034 79.778,120.034 U4.16@79.787,120.043 79.778,120.052 78.996,120.052 78.683,120.365 78.683,120.721 78.996,121.034 79.778,121.034 U4.18@79.787,121.043 82.228,121.043 82.481,120.79 84.225,120.79 84.2,120.765 84.2,119.715 84.175,119.69
C8R_5: "C8_Balance Circuit 8R5.2" "R19_Balance Circuit 8R5.2" U4.12 | length 9.3
  Top Layer w0.203: U4.12@79.787,118.043 79.806,118.024 80.716,118.024 82.644,116.097 82.644,113.953 83.796,112.802 83.796,112.694 84.225,112.265 84.2,112.24 84.2,111.19 84.175,111.165
C8R_6: "C8_Balance Circuit 8R6.2" "R19_Balance Circuit 8R6.2" U4.10 | length 16.7
  Top Layer w0.203: U4.10@79.787,117.043 80.488,117.043 80.584,116.947 80.626,116.947 80.638,116.947 81.933,115.652 81.933,113.659 83.084,112.507 83.084,104.881 84.225,103.74 84.2,103.715 84.2,102.665 84.175,102.64
C8R_7: "C8_Balance Circuit 8R7.2" "R19_Balance Circuit 8R7.2" U4.8 | length 24
  Top Layer w0.203: U4.8@79.987,115.989 80.59,115.989 81.222,115.358 81.222,113.364 82.373,112.213 82.373,97.067 84.225,95.215 84.2,95.19 84.2,94.14 84.175,94.115
C8R_8: "C8_Balance Circuit 8R8.2" "R19_Balance Circuit 8R8.2" U4.2 U4.4 U4.6 | length 34.6
  Top Layer w0.203: U4.2@79.787,113.043 79.768,113.061 78.993,113.061 78.708,113.347 78.708,113.71 78.839,113.841 ; U4.4@79.787,114.043 79.768,114.024 79.022,114.024 78.839,113.841 ; U4.6@79.787,115.043 79.086,115.043 78.99,114.947 78.945,114.947 78.708,114.71 78.708,113.972 78.839,113.841 ; U4.2@79.807,113.024 80.556,113.024 81.662,111.918 81.662,96.772 82.787,95.647 82.787,88.128 84.225,86.69 84.2,86.665 84.2,85.615 84.175,85.59
C12_0_2: C7.2 R9.2 U1.26 | length 86.5
  Top Layer w0.203: U1.26@43.953,33.706 43.953,34.666 44.072,34.785 45.439,34.785 45.634,34.59 45.634,26.088 45.853,25.869 99.356,25.869 104.398,20.827 104.398,8.498 C7.2@103.775,7.875 R9.2@103.775,6.825
C12_1: "C8_Balance Circuit 121.2" "R19_Balance Circuit 121.2" U1.24 | length 59.7
  Top Layer w0.203: U1.24@44.453,26.456 44.472,26.437 44.472,25.631 44.501,25.602 45.021,25.082 94.99,25.082 99.925,20.147 ; 100.075,20.025 100.1,20 101.15,20 101.175,19.975
C12_2: "C8_Balance Circuit 122.2" "R19_Balance Circuit 122.2" U1.22 | length 52.5
  Top Layer w0.203: U1.22@43.453,26.456 43.472,26.437 43.472,25.626 44.828,24.269 44.975,24.269 87.456,24.269 91.4,20.325 91.4,19.895 ; 91.55,20.025 91.575,20 92.625,20 92.65,19.975
C12_3: "C8_Balance Circuit 123.2" "R19_Balance Circuit 123.2" U1.20 | length 45.1
  Top Layer w0.203: U1.20@42.453,26.456 42.472,26.437 42.472,25.62 44.635,23.456 44.975,23.456 79.594,23.456 83.025,20.025 83.05,20 ; 83.075,19.975 83.05,20 ; 84.125,19.975 84.1,20 83.05,20 ; 84.159,20.06 84.288,19.931
C12_4: "C8_Balance Circuit 124.2" "R19_Balance Circuit 124.2" U1.18 | length 37.6
  Top Layer w0.203: U1.18@41.453,26.456 41.472,26.437 41.472,25.614 44.504,22.582 44.975,22.582 72.068,22.582 74.327,20.323 74.327,20.198 74.463,20.062 74.587,20.062 74.587,20.061 74.673,19.975 75.6,19.975 ; 74.5,20.025 74.525,20 74.675,20
C12_5: "C8_Balance Circuit 125.2" "R19_Balance Circuit 125.2" U1.16 | length 31.5
  Top Layer w0.203: U1.16@40.453,26.456 40.472,26.437 40.472,25.608 44.311,21.769 44.975,21.769 66.14,21.769 67.088,20.821 67.088,19.931 ; 65.975,20.025 66,20 67.05,20 67.075,19.975
C12_6: "C8_Balance Circuit 126.2" "R19_Balance Circuit 126.2" U1.14 | length 23.9
  Top Layer w0.203: U1.14@39.453,26.456 39.472,26.437 39.472,25.602 44.118,20.956 58.353,20.956 58.488,20.821 58.488,20 ; 57.45,20.025 57.475,20 58.488,20 ; 58.488,19.931 58.488,20 ; 58.55,19.975 58.525,20 58.488,20
C12_7: "C8_Balance Circuit 127.2" "R19_Balance Circuit 127.2" U1.12 | length 15.2
  Top Layer w0.203: U1.12@38.453,26.456 38.467,26.442 38.467,25.555 43.777,20.245 46.655,20.245 47.404,19.496 48.396,19.496 48.925,20.025 48.95,20 50,20 50.025,19.975